# Altium PCB as_x31.PcbDoc (part 7 of 8)
Units mm, origin at the board's own origin, x right, y up, seen from the top; angles counter-clockwise.
Board outline 130 x 100 mm, 6 copper layers (Top Layer, Ground_1, int_1, int_2, Power, Bottom Layer), stack 1.49 mm thick; 430 components, 387 nets, 2581 pads, 1360 vias.
Unrouted connection lines stored in the file: 6.
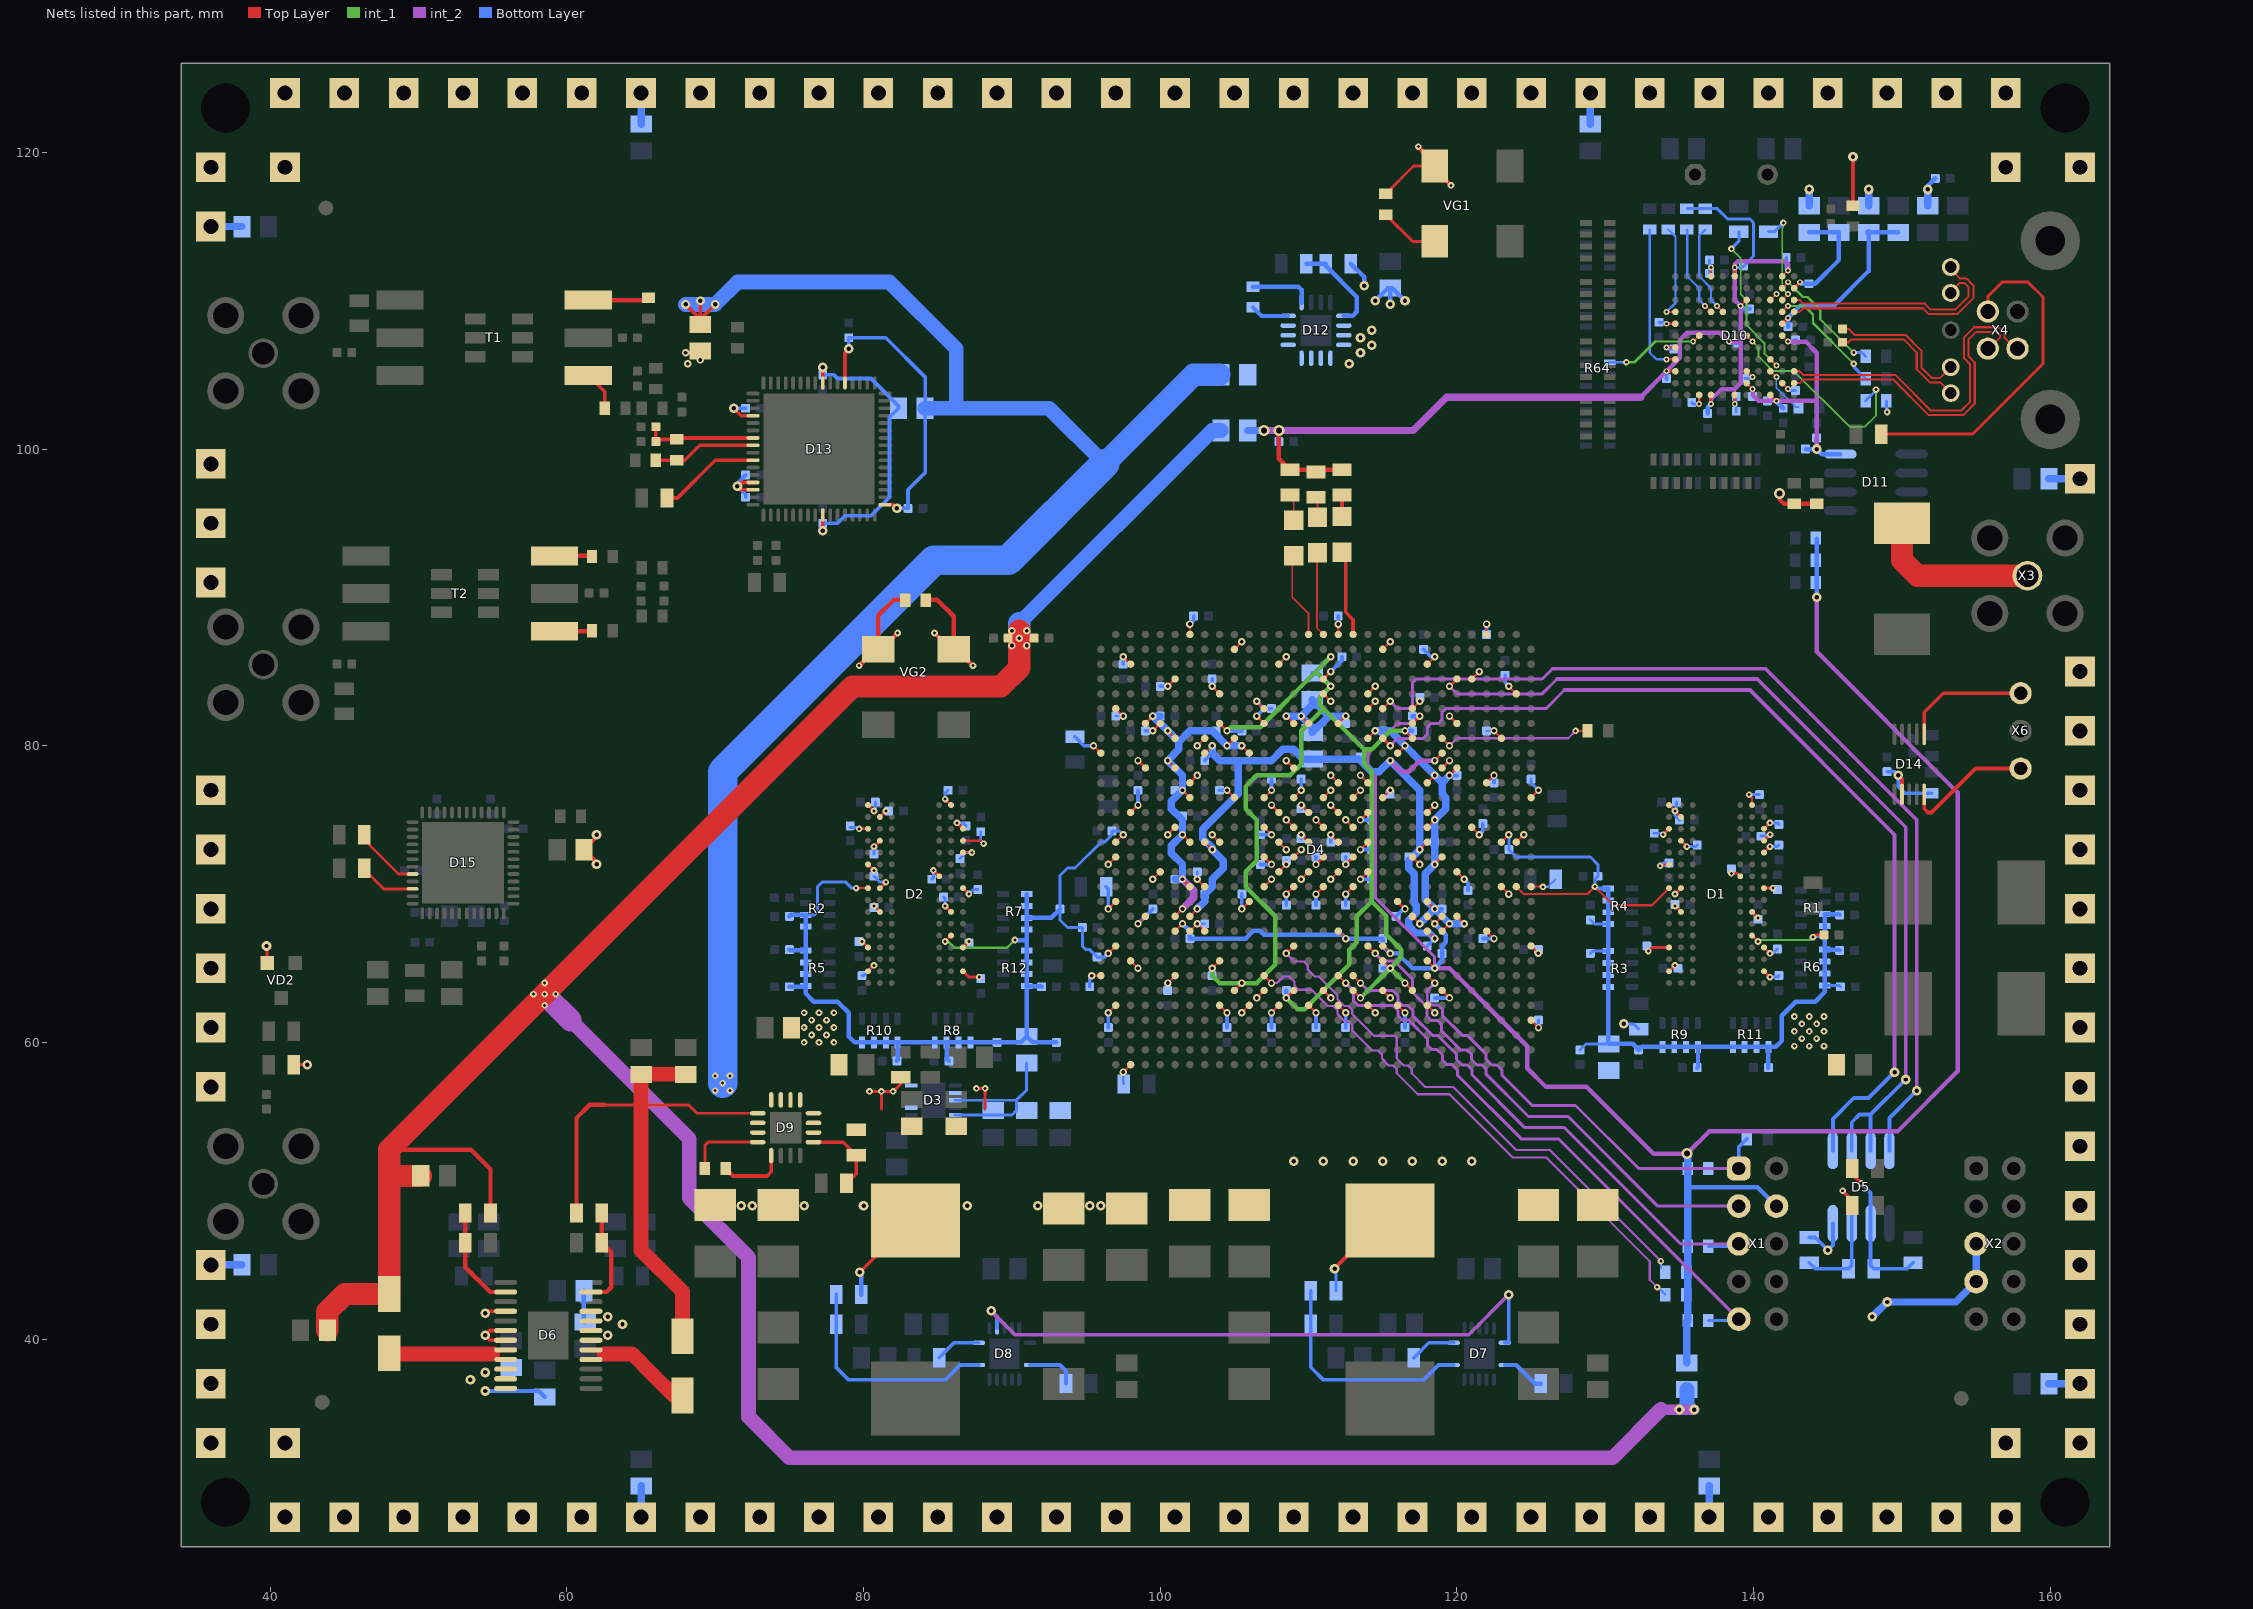
[diagram p11: the nets of this part, all layers, seen from the top]

## Via types
v1: diameter 0.5, hole 0.25, Top Layer to Bottom Layer, 541 vias
v2: diameter 0.45, hole 0.2, Top Layer to Bottom Layer, tented both sides, 349 vias
v3: diameter 0.65, hole 0.3, Top Layer to Bottom Layer, 226 vias
v4: diameter 0.5, hole 0.2, Top Layer to Bottom Layer, tented both sides, 96 vias
v5: diameter 0.4, hole 0.2, Top Layer to Bottom Layer, tented both sides, 83 vias
v6: diameter 0.75, hole 0.4, Top Layer to Bottom Layer, 46 vias
v7: diameter 0.6, hole 0.3, Top Layer to Bottom Layer, 12 vias
v8: diameter 0.5, hole 0.2, Top Layer to Bottom Layer, 4 vias
v9: diameter 0.6, hole 0.25, Top Layer to Bottom Layer, tented both sides, 2 vias
v10: diameter 0.5, hole 0.3, Top Layer to Bottom Layer, 1 vias

## Nets (pads, with @x,y where several pads share a name; then routed paths per layer and width w, separated by ;. In a path a pad name is that pad's centre, name@x,y a point inside that pad or via, vN(x,y) a via of type N, cw(c..) or ccw(c..) an arc to the next point about the centre after c; other vN are vias at no path point) (continued)
NetD4_AD23: D4.AD23 R22.1 | length 10.4
  Top Layer w0.15: D4.AD23@119,80.5 v1(119.5,80) ; v2(128,81) R22.1@128.8,81
  int_2 w0.15: v1(119.5,80) 120,80.5 127.5,80.5 v2(128,81)
NetD4_AK13: D4.AK13 R24.1 | length 1.9
  Top Layer w0.125: D4.AK13@125,70.5 v2@125.8,70.5
  Bottom Layer w0.125: v2(125.8,70.487) 126.137,70.487 R24.1@126.65,71
NetD4_B12: D4.B12 R23.1 | length 2.3
  Top Layer w0.15: v1(96.5,69) D4.B12@97,69.5
  Bottom Layer w0.25: R23.1@96.35,70.5 96.5,70.35 v1(96.5,69)
NetD4_C1: D4.C1 R39.1 | length 1.5
  Top Layer w0.15: v1(97.5,58) D4.C1@98,58.5
  Bottom Layer w0.15: v1(97.5,58) 97.5,57.25 R39.1@97.55,57.2
NetD4_M7: D4.M7 R29.1 | length 37.9
  Top Layer w0.15: D4.M7@107,64.5 v1(107.5,64)
  int_2 w0.15: v1(107.5,64) 107.864,64 108.314,64.45 108.686,64.45 109.05,64.086 109.05,63.814 109.314,63.55 110.2,63.55 111.3,62.45 111.686,62.45 111.95,62.186 111.95,61.914 112.414,61.45 112.686,61.45 112.95,61.186 112.95,60.8 114.3,59.45 114.686,59.45 114.95,59.186 114.95,58.914 115.414,58.45 115.686,58.45 115.95,58.186 115.95,57.914 117.364,56.5 119.5,56.5 123.75,52.25 126,52.25 133,45.25 133,44 v2(133.5,43.5)
  Bottom Layer w0.15: v2(133.5,43.5) 133.55,43.5 R29.1@134.05,43
NetD4_P9: D4.P9 R28.1 | length 36.5
  Top Layer w0.15: v1(108.5,66) D4.P9@109,66.5
  int_2 w0.15: v1(108.5,66) 109.05,65.45 109.686,65.45 109.95,65.186 109.95,64.914 110.414,64.45 110.686,64.45 111.95,63.186 111.95,62.914 112.414,62.45 112.686,62.45 112.95,62.186 112.95,61.914 114.414,60.45 115.8,60.45 115.95,60.3 115.95,58.914 116.414,58.45 116.686,58.45 116.95,58.186 116.95,57.914 117.864,57 119.75,57 124,52.75 126.25,52.75 v2(133.75,45.25)
  Bottom Layer w0.15: R28.1@133.75,44.8 v2(133.75,45.25)
NetD4_R30: D4.R30 VD4.2 | length 5.8
  Top Layer w0.125: VD4.2@109,92.8 108.9,92.7 108.9,90 110,88.9 D4.R30@110,87.5
NetD4_T30: D4.T30 VD5.2 | length 5.6
  Top Layer w0.125: VD5.2@110.562,92.962 110.562,87.938 D4.T30@111,87.5
NetD4_V30: D4.V30 VD3.2 | length 5.9
  Top Layer w0.25: VD3.2@112.25,93.05 112.5,92.8 112.5,89 113,88.5 D4.V30@113,87.5
NetD5_6: D5.6 R36.1 R37.1 R38.2 | length 10.2
  Top Layer w0.25: R37.1@146.65,51.5 146.65,51.1 v2(147.25,50.5)
  Bottom Layer w0.25: v2(147.25,50.5) 147.885,49.865 D5.6@147.885,47.8 147.885,44.965 R36.1@148.1,44.75 150.35,44.75 R38.2@150.75,45.15
NetD5_7: D5.7 R34.1 R35.1 R36.2 | length 9.7
  Top Layer w0.25: v2(146,50) 146.65,49.35 R35.1@146.65,49
  Bottom Layer w0.25: R34.1@143.75,45.15 144.15,44.75 R36.2@146.4,44.75 146.615,44.965 D5.7@146.615,47.8 146.615,49.385 v2(146,50)
NetD6_2: D6.2 R47.1 R49.2 | length 7.1
  Top Layer w0.3: R47.1@53.15,48.5 R49.2@53.15,46.5 53.15,44.85 54.825,43.175 D6.2@55.875,43.175
NetD6_8: D6.8 D6.9 L8.1 | length 8.4
  Top Layer w0.3: D6.8@55.275,39.275 55,39 55.375,38.625 D6.9@55.875,38.625
  Top Layer w1: L8.1@48.068,39 55,39
NetD6_16: D6.16 D6.17 L6.1 | length 8.5
  Top Layer w0.3: D6.16@61.625,38.625 62.125,38.625 62.5,39 62.225,39.275 D6.17@61.625,39.275
  Top Layer w1: 62.5,39 64.4,39 65.8,37.6 67.2,36.2 L6.1@67.8,36.2
NetD6_23: D6.23 R40.1 R42.1 | length 6.8
  Top Layer w0.3: D6.23@61.625,43.175 62.675,43.175 63,43.5 63,45.85 R42.1@62.35,46.5 R40.1@62.35,48.5
NetD7_1: D7.1 R45.1 | length 2.9
  Bottom Layer w0.25: D7.1@123.225,38.25 124,38.25
  Bottom Layer w0.3: 124,38.25 125.25,37 R45.1@125.65,37
NetD7_7: D7.7 R41.1 R44.2 | length 15.5
  Bottom Layer w0.25: R41.1@110.15,43.25 R44.2@110.15,41 110.15,38.1 111,37.25 117.75,37.25 118.75,38.25 D7.7@119.775,38.25
NetD7_8: D7.8 R46.1 | length 3.1
  Bottom Layer w0.25: R46.1@117.1,38.75 118.1,39.75 D7.8@119.775,39.75
NetD8_1: D8.1 R53.1 | length 3.4
  Bottom Layer w0.25: D8.1@91.225,38.25 93.25,38.25 93.65,37.85 R53.1@93.65,37
NetD8_7: D8.7 R50.1 R52.2 | length 15.3
  Bottom Layer w0.25: R50.1@78.15,43 R52.2@78.15,41 78.15,38.1 79,37.25 85.5,37.25 86.5,38.25 D8.7@87.775,38.25
NetD8_8: D8.8 R55.1 | length 3.1
  Bottom Layer w0.25: R55.1@85.1,38.75 86.1,39.75 D8.8@87.775,39.75
NetD9_5: D9.5 R56.1 | length 4.5
  Top Layer w0.25: R56.1@70.7,51.5 71.2,51 73.5,51 73.775,51.275 D9.5@73.775,52.375
NetD9_9: D9.9 R51.1 R54.2 | length 5.4
  Top Layer w0.25: D9.9@76.625,53.275 78.625,53.275 R51.1@79.5,52.4 79.5,51.15 R54.2@78.85,50.5
NetD10_B2: D10.B2 R59.2 | length 8.2
  Top Layer w0.125: D10.B2@141.929,110.846 v5(142.329,111.246)
  int_1 w0.15: v5(142.329,111.246) 143.329,110.246 143.629,110.246 144.5,109.375 144.5,108.75 v2(146.75,106.5)
  Bottom Layer w0.2: v2(146.75,106.5) 147.3,106.5 R59.2@147.55,106.25
NetD10_B3: D10.B3 R68.1 | length 6.8
  Top Layer w0.125: D10.B3@141.929,110.046 v5(142.329,110.446)
  int_1 w0.125: v2(142,115.25) 142,115 141.929,114.929 141.929,110.846 v5(142.329,110.446)
  Bottom Layer w0.2: R68.1@141,114.65 141.4,114.65 v2(142,115.25)
NetD10_B4: D10.B4 R61.2 | length 8.3
  Top Layer w0.125: D10.B4@141.929,109.246 v5(142.329,109.646)
  int_1 w0.15: v5(142.329,109.646) 143.429,109.646 144,109.075 144,108.5 v2(146.75,105.75)
  Bottom Layer w0.2: v2(146.75,105.75) 146.75,105.55 R61.2@147.55,104.75
NetD10_C8: D10.C8 R109.1 | length 11
  Top Layer w0.125: D10.C8@141.129,106.046 v5(141.529,105.646)
  int_1 w0.125: v2(138.5,113.5) 139.129,112.871 139.129,110.446 139.529,110.046 139.529,108.346 140.729,107.146 140.729,106.446 v5(141.529,105.646)
  Bottom Layer w0.2: v2(138.5,113.5) 139,114 R109.1@139,114.65
NetD10_C9: D10.C9 R60.1 | length 3.3
  Top Layer w0.125: D10.C9@141.129,105.246 v5(141.529,104.846)
  Bottom Layer w0.125: v5(141.529,104.846) 141.529,104.146 142.829,102.846 R60.1@143.029,102.846
NetD10_E6: D10.E6 R62.2 | length 14.7
  Top Layer w0.125: D10.E6@139.529,107.646 v5(139.929,107.246)
  int_1 w0.125: v5(139.929,107.246) 140.329,106.846 140.329,106.246 141.316,105.259 142.716,105.259 146.475,101.5 147.5,101.5 148.25,102.25 v2(148.25,104)
  Bottom Layer w0.2: R62.2@147.55,103.25 148.25,103.95 v2(148.25,104)
NetD10_G4: D10.G4 R77.1 | length 6.4
  Top Layer w0.125: v5(137.529,109.646) D10.G4@137.929,109.246
  Bottom Layer w0.15: R77.1@136.75,114.8 136.329,114.379 136.329,111.646 137.129,110.846 137.129,110.046 v5(137.529,109.646)
NetD10_H4: D10.H4 R78.1 | length 6.2
  Top Layer w0.125: v5(136.729,109.646) D10.H4@137.129,109.246
  Bottom Layer w0.15: R78.1@135.5,114.8 135.529,114.771 135.529,111.646 136.329,110.846 136.329,110.046 v5(136.729,109.646)
NetD10_L4: D10.L4 R79.1 | length 6.6
  Top Layer w0.15: v5(134.129,109.246) D10.L4@134.729,109.246
  Bottom Layer w0.15: v5(134.129,109.246) 134.729,109.846 134.729,114.321 R79.1@134.25,114.8
NetD10_L8: D10.L8 R80.1 | length 10.2
  Top Layer w0.15: v5(134.129,106.046) D10.L8@134.729,106.046
  Bottom Layer w0.15: R80.1@133,114.8 133,106.5 133.454,106.046 v5(134.129,106.046)
NetD12_5: D12.5 R84.1 | length 4.2
  Bottom Layer w0.3: R84.1@106.25,110.95 109.3,110.95 109.525,110.725 D12.5@109.525,109.875
NetD12_9: D12.9 R82.1 R83.2 | length 6.4
  Bottom Layer w0.3: R83.2@109.85,112.5 R82.1@111.15,112.5 111.15,112.35 113.25,110.25 113.25,109.25 112.975,108.975 D12.9@112.375,108.975
NetD13_40: D13.40 R88.2 R93.1 | length 7
  Top Layer w0.25: R88.2@66,99.25 R93.1@67.4,99.25 67.95,99.25 68.95,100.25 D13.40@72.55,100.25
NetD13_42: D13.42 R95.1 | length 6.9
  Top Layer w0.25: R95.1@66.75,96.7 67.45,96.7 70,99.25 D13.42@72.55,99.25
NetD14_5: D14.5 X6.1 | length 8.8
  Top Layer w0.25: D14.5@151.5,76.725 151.5,75.75 151.75,75.5 152,75.5 154.96,78.46 X6.1@158,78.46
NetD14_6: D14.6 X6.3 | length 8.5
  Top Layer w0.25: D14.6@151.5,80.775 151.5,82.25 152.79,83.54 X6.3@158,83.54
NetD15_44: D15.44 R105.1 | length 4.6
  Top Layer w0.2: R105.1@46.35,74 46.35,73.65 48.65,71.35 D15.44@49.6,71.35
NetD15_46: D15.46 R106.1 | length 3.9
  Top Layer w0.2: R106.1@46.35,71.75 46.35,71.65 47.65,70.35 D15.46@49.6,70.35
NetR57_2: R57.2 X4.1 | length 22.9
  Top Layer w0.2: R57.2@148.6,101 154.75,101 159.5,105.75 159.5,110.25 158.5,111.25 156.75,111.25 155.79,110.29 X4.1@155.79,109.27
NetR85_2: R85.2 T1.1 | length 4.1
  Top Layer w0.3: T1.1@61.445,110.04 65.34,110.04 R85.2@65.5,110.2
NetR89_2: R89.2 T1.3 | length 2.7
  Top Layer w0.25: T1.3@61.445,104.96 62.55,103.855 R89.2@62.55,102.75
NetR96_2: R96.2 T2.3 | length 2.4
  Top Layer w0.3: T2.3@59.16,87.72 61.5,87.72 R96.2@61.54,87.76
NetR100_2: R100.2 T2.1 | length 2.4
  Top Layer w0.3: T2.1@59.16,92.8 61.5,92.8 R100.2@61.54,92.76
NetR102_2: R102.2 VG2.1 | length 8
  Top Layer w0.3: v2(79.7,85.4) 80.8,86.5 VG2.1@81,86.5 ; v2(82.3,87.6) 81.2,86.5 VG2.1@81,86.5 ; R102.2@82.75,89.85 82.05,89.85 81,88.8 VG2.1@81,86.5
NetR108_2: R108.2 VG1.1 | length 4
  Top Layer w0.2: R108.2@115.2,115.8 117,114 VG1.1@118.5,114
NetR110_1: R110.1 VD3.1 | length 1.5
  Top Layer w0.25: VD3.1@112.25,95.45 R110.1@112.25,96.9
NetR111_1: R111.1 VD4.1 | length 1.8
  Top Layer w0.125: R111.1@108.75,96.9 109,96.65 VD4.1@109,95.2
NetR112_1: R112.1 VD5.1 | length 1.3
  Top Layer w0.125: VD5.1@110.6,95.4 R112.1@110.6,96.65
NetVD1_2: VD1.2 X3.1 | length 11.4
  Top Layer w1.5: VD1.2@150,95 150,92.5 151.04,91.46 X3.1@158.46,91.46
PCLK: D10.J6 R64.6 | length 6.8
  Top Layer w0.125: v5(135.929,107.246) D10.J6@136.329,107.646
  int_1 w0.125: 133.829,107.246 v5(135.929,107.246)
  int_1 w0.15: 133.371,107.246 133.829,107.246
  int_1 w0.2: v2(131.425,105.85) 131.975,105.85 133.371,107.246
  Bottom Layer w0.15: R64.6@130.3,105.85 v2(131.425,105.85)
PG1P1: D7.14 D8.10 | length 41.5
  int_2 w0.25: v3(88.6,41.9) 90.2,40.3 120.8,40.3 v3(123.5,43)
  Bottom Layer w0.25: v3(88.6,41.9) 89,41.5 D8.10@89,40.725 ; D7.14@123.225,39.75 123.5,39.75 v3(123.5,43)
SHIELD: L17.2 L18.2 L19.2 L20.2 L21.2 L22.2 L23.2 L24.2 pad.0 pad.3 | length 16.8
  Bottom Layer w0.5: pad.3@36,45 L23.2@38.1,45 ; pad.3@36,115 L24.2@38.1,115 ; pad.3@65,28 L22.2@65,30.1 ; L17.2@65,121.9 pad.3@65,124 ; L18.2@129,121.9 pad.3@129,124 ; pad.3@137,28 L21.2@137,30.1 ; L19.2@159.9,98 pad.3@162,98 ; L20.2@159.9,37 pad.3@162,37
SS_RX_N: D10.A3 X4.8 | length 14.7
  Top Layer w0.14: D10.A3@142.729,110.046 143.1,110.046 143.345,109.801 151.537,109.801 151.938,109.4 153.6,109.4 154.5,110.3 154.5,110.9 154.2,111.2 153.9,111.2 153.29,110.59 X4.8@153.29,110.52
SS_RX_P: D10.A4 X4.9 | length 15.8
  Top Layer w0.14: D10.A4@142.729,109.246 143.1,109.246 143.345,109.491 151.409,109.491 151.81,109.09 153.728,109.09 154.81,110.172 154.81,111.028 154.328,111.51 153.9,111.51 153.29,112.12 X4.9@153.29,112.27
SS_TX_N: C181.1 X4.5 | length 9.5
  Top Layer w0.14: C181.1@146,107.2 146.4,107.2 146.59,107.39 150.11,107.39 151,106.5 151,105.372 151.882,104.49 152.57,104.49 X4.5@153.29,103.77
SS_TX_P: C180.1 X4.6 | length 9.6
  Top Layer w0.14: C180.1@146,108.1 146.4,108.1 146.8,107.7 150.238,107.7 151.31,106.628 151.31,105.5 152.01,104.8 152.57,104.8 X4.6@153.29,105.52
TCK: D4.AC7 R26.2 R33.2 X1.1 | length 32.7
  Top Layer w0.15: D4.AC7@118,64.5 v1(118.5,64)
  int_2 w0.2: v1(118.5,64) 118,63.5 118,62.828 118.303,62.525 118.725,62.525 119.025,62.225 119.025,61.803 120.353,60.475 120.697,60.475 121.975,59.197 121.975,58.853 122.353,58.475 122.697,58.475 123.025,58.147 123.025,57.803 125.078,55.75 128,55.75 132.25,51.5 X1.1@139,51.5
  Bottom Layer w0.2: R26.2@136.95,51.5 X1.1@139,51.5
  Bottom Layer w0.25: X1.1@139,51.5 139,52.95 R33.2@139.55,53.5
TDI: D4.U7 R27.1 X1.9 | length 39.9
  Top Layer w0.15: D4.U7@112,64.5 v1(112.5,64)
  int_2 w0.2: v1(112.5,64) 113.025,63.475 113.025,62.803 113.328,62.5 115.672,62.5 116.025,62.147 116.025,61.803 116.303,61.525 116.725,61.525 118.025,60.225 118.025,59.803 118.303,59.525 118.647,59.525 119.025,59.147 119.025,58.803 119.303,58.525 119.647,58.525 120.025,58.147 120.025,57.803 124.328,53.5 126.84,53.5 X1.9@139,41.34
  Bottom Layer w0.2: R27.1@136.95,41.25 138.91,41.25 X1.9@139,41.34
TDO: D4.W9 X1.3 | length 33.8
  Top Layer w0.15: D4.W9@114,66.5 v1(114.5,66)
  int_2 w0.2: v1(114.5,66) 115,65.5 115.75,65.5 117,64.25 117,63.369 117.975,62.394 117.975,61.775 118.275,61.475 118.697,61.475 118.975,61.197 118.975,60.775 120.275,59.475 120.697,59.475 120.975,59.197 120.975,58.853 121.353,58.475 121.697,58.475 121.975,58.197 121.975,57.853 124.828,55 127.5,55 133.54,48.96 X1.3@139,48.96
TMS: D4.V7 R25.2 X1.5 | length 36.4
  Top Layer w0.15: D4.V7@113,64.5 v1(113.5,64)
  int_2 w0.2: v1(113.5,64) 114,63.5 115.672,63.5 116.025,63.147 116.025,62.803 116.353,62.475 116.697,62.475 117.025,62.147 117.025,61.803 118.353,60.475 118.697,60.475 119.975,59.197 119.975,58.853 120.353,58.475 120.697,58.475 121.025,58.147 121.025,57.803 124.578,54.25 127.25,54.25 135.08,46.42 X1.5@139,46.42
  Bottom Layer w0.2: R25.2@136.95,46.25 138.83,46.25 X1.5@139,46.42
TTL_RX: D4.Y23 D5.1 | length 64.5
  Top Layer w0.2: D4.Y23@115,80.5 v1(115.5,80)
  int_2 w0.2: v1(115.5,80) 116,80.5 117.75,80.5 118,80.75 118,81.25 118.25,81.5 118.75,81.5 119,81.75 119,82.25 119.25,82.5 126,82.5 127.25,83.75
  int_2 w0.25: 127.25,83.75 139.75,83.75 149.5,74 v3(149.5,58)
  Bottom Layer w0.25: D5.1@145.345,52.7 145.345,54.845 146.75,56.25 147.75,56.25 v3(149.5,58)
TTL_TX: D4.Y25 D5.4 | length 65.7
  Top Layer w0.15: D4.Y25@115,82.5 v1(115.5,83)
  int_2 w0.2: v1(115.5,83) 116,82.5 116.75,82.5 117,82.75 117,84.25 117.25,84.5 125.75,84.5 126.445,85.195
  int_2 w0.25: 126.445,85.195 140.805,85.195 151,75 v3(151,56.75)
  Bottom Layer w0.25: D5.4@149.155,52.7 149.155,54.905 v3(151,56.75)
TTL_TX_EN: D4.AE27 D5.2 D5.3 | length 62.4
  Top Layer w0.15: v1(119.5,84) D4.AE27@120,84.5
  int_2 w0.2: v1(119.5,84) 120,83.5 125.75,83.5 126.75,84.5
  int_2 w0.25: 126.75,84.5 140.25,84.5 150.25,74.5 v3(150.25,57.5)
  Bottom Layer w0.25: D5.2@146.615,52.7 146.615,54.615 147.135,55.135 147.885,55.135 ; D5.3@147.885,52.7 147.885,55.135 ; v3(150.25,57.5) 147.885,55.135
U3RXVDDQ: C185.2 C186.2 D10.A2 L10.2 | length 7.7
  Top Layer w0.2: D10.A2@142.729,110.846 v5(143.129,111.246)
  Bottom Layer w0.3: v5(143.129,111.246) 143.229,111.146 C185.2@143.729,111.146 144.146,111.146 145.75,112.75 C186.2@145.75,114.6 L10.2@143.75,114.6
U3TXVDDQ: C188.2 C189.2 D10.B5 L11.2 | length 12.5
  Top Layer w0.2: D10.B5@141.929,108.446 v5(142.329,108.846)
  Bottom Layer w0.3: C188.2@142.329,108.246 v5(142.329,108.846) 143.129,109.646 145.396,109.646 147.75,112 L11.2@147.75,114.6 C189.2@149.75,114.6
USB_N: D10.A10 X4.2 | length 21.8
  Top Layer w0.14: D10.A10@142.729,104.446 143.1,104.446 143.345,104.691 149.409,104.691 151.81,102.29 154.128,102.29 154.91,103.072 154.91,105.828 154.5,106.238 154.5,107.4 155,107.9 156.4,107.9 156.6,107.7 156.6,107.5 155.87,106.77 X4.2@155.79,106.77
USB_P: D10.A9 X4.3 | length 22.4
  Top Layer w0.14: D10.A9@142.729,105.246 143.1,105.246 143.345,105.001 149.537,105.001 151.938,102.6 154,102.6 154.6,103.2 154.6,105.7 154.19,106.11 154.19,107.528 154.872,108.21 156.528,108.21 156.91,107.828 156.91,107.5 157.64,106.77 X4.3@157.79,106.77
V0P75D: C39.2 C40.2 C41.2 D3.3 D3.5 L1.1 L2.1 | length 11.9
  Bottom Layer w0.2: D3.5@86.175,55.1 90,55.1 90.3,55.4 90.3,56.1 ; D3.3@86.175,56.1 90.3,56.1 ; L2.1@91,58.6 91,56.8 90.3,56.1
V1P1D: C63.2 C64.2 C65.2 C66.2 C67.2 C68.2 C69.2 C75.2 C76.2 C77.2 C78.2 C79.2 C80.2 C81.2 C87.2 C88.2 C89.2 C90.2 C91.2 C92.2 C93.2 C94.2 C153.1 C154.1 C155.1 C156.1 D4.AA5 D4.AC5 D4.AD6 D4.J5 D4.L5 D4.M6 D4.M13 D4.M15 D4.M17 D4.M19 D4.N5 D4.N14 D4.N16 D4.N18 D4.P13 D4.P15 D4.P17 D4.P19 D4.R5 D4.R14 D4.R16 D4.R18 D4.T6 D4.T13 D4.T15 D4.T17 D4.T19 D4.U5 D4.U14 D4.U16 D4.U18 D4.U20 D4.V13 D4.V15 D4.V17 D4.V19 D4.W5 D4.W14 D4.W16 D4.W18 D4.W20 D4.Y6 L7.2 R41.2 | length 52.1
  Top Layer w0.15: D4.J5@104,62.5 v1(104.5,62) ; v1(105.5,62) D4.L5@106,62.5 ; v1(106.5,63) D4.M6@107,63.5 ; D4.M13@107,70.5 v1(107.5,71) ; D4.M15@107,72.5 v1(107.5,72) ; D4.M17@107,74.5 v1(107.5,74) ; D4.M19@107,76.5 v1(107.5,77) ; v1(107.5,62) D4.N5@108,62.5 ; v1(107.5,76) D4.N18@108,75.5 ; D4.N14@108,71.5 v1(108.5,72) ; D4.N16@108,73.5 v1(108.5,73) ; v1(108.5,70) D4.P13@109,70.5 ; v1(108.5,75) D4.P17@109,74.5 ; D4.P15@109,72.5 v1(109.5,73) ; D4.P19@109,76.5 v1(109.5,77) ; v1(109.5,71) D4.R14@110,71.5 ; v1(109.5,74) D4.R16@110,73.5 ; v1(109.5,76) D4.R18@110,75.5 ; D4.R5@110,62.5 v1(110.5,62) ; v1(110.5,70) D4.T13@111,70.5 ; v1(110.5,72) D4.T15@111,72.5 ; v1(110.5,75) D4.T17@111,74.5 ; D4.T6@111,63.5 v1(111.5,63) ; D4.T19@111,76.5 v1(111.5,77) ; v1(111.5,71) D4.U14@112,71.5 ; v1(111.5,74) D4.U16@112,73.5 ; v1(111.5,76) D4.U18@112,75.5 ; v1(111.5,78) D4.U20@112,77.5 ; D4.U5@112,62.5 v1(112.5,62) ; v1(112.5,70) D4.V13@113,70.5 ; v1(112.5,72) D4.V15@113,72.5 ; v1(112.5,75) D4.V17@113,74.5 ; D4.V19@113,76.5 v1(113.5,77) ; v1(113.5,71) D4.W14@114,71.5 ; v1(113.5,73) D4.W16@114,73.5 ; v1(113.5,75) D4.W18@114,75.5 ; v1(113.5,78) D4.W20@114,77.5 ; D4.W5@114,62.5 v1(114.5,62) ; D4.Y6@115,63.5 v1(115.5,63) ; D4.AA5@116,62.5 v1(116.5,62) ; D4.AC5@118,62.5 v1(118.5,62) ; D4.AD6@119,63.5 v1(119.5,63)
  Top Layer w0.25: v3(111.75,44.75) 115,48 L7.2@115.5,48
  Bottom Layer w0.2: v3(111.75,44.75) 111.85,44.65 R41.2@111.85,43.25
  Bottom Layer w0.25: C63.2@104.5,61 v1(104.5,62) ; C78.2@106.75,72 v1(107.5,72) ; C89.2@106.75,74 v1(107.5,74) ; C75.2@107.5,61 v1(107.5,62) ; v1(107.5,77) C65.2@107.5,77.75 ; C66.2@108.5,69.25 v1(108.5,70) ; v1(108.5,72) C92.2@108.5,72.25 ; C91.2@109.5,73.75 v1(109.5,74) ; C79.2@109.5,75.75 v1(109.5,76) ; v1(109.5,77) C77.2@109.5,77.75 ; C64.2@110.5,61 v1(110.5,62) ; C67.2@110.5,69.25 v1(110.5,70) ; v1(110.5,72) C69.2@110.5,72.5 ; C81.2@111.5,73.5 v1(111.5,74) ; C94.2@112.5,61 v1(112.5,62) ; C68.2@112.5,69.25 v1(112.5,70) ; v1(112.5,72) C87.2@112.5,72.5 ; v1(113.5,71) C80.2@114.25,71 ; v1(113.5,73) C88.2@114.25,73 ; v1(113.5,75) C90.2@114.25,75 ; C76.2@116.5,61 v1(116.5,62) ; C93.2@118.5,63 v1(119.5,63)
  other v3: 109,52 111,52 113,52 115,52 117,52 119,52 121,52
V1P2D: C184.2 C192.2 C193.2 C194.2 C195.2 C196.2 C197.2 C198.2 C199.2 C200.2 C201.2 D10.B10 D10.C3 D10.E9 D10.F11 D10.H1 D10.J11 D10.L5 D10.L7 D12.10 D12.11 D12.12 D12.13 D12.14 L10.1 L11.1 L12.1 R82.2 | length 19.5
  Top Layer w0.125: D10.E9@139.529,105.246 v5(139.929,104.846) ; D10.C3@141.129,110.046 v5(141.529,110.446) ; D10.B10@141.929,104.446 v5(142.329,104.046)
  Top Layer w0.15: v5(134.129,106.846) D10.L7@134.729,106.846 ; v5(134.129,108.446) D10.L5@134.729,108.446 ; v5(136.329,103.046) D10.J11@136.329,103.646 ; D10.H1@137.129,111.646 v5(137.129,112.246) ; v5(138.729,103.046) D10.F11@138.729,103.646
  Bottom Layer w0.2: C192.2@133.629,108.546 134.029,108.546 v5(134.129,108.446) ; v5(134.129,106.846) 134.229,106.746 C200.2@134.629,106.746 ; C198.2@135.829,103.146 135.929,103.046 v5(136.329,103.046) ; C201.2@137.029,111.746 137.029,112.146 v5(137.129,112.246) 137.029,112.346 C193.2@137.029,112.746 ; C194.2@138.829,102.546 138.829,102.946 v5(138.729,103.046) 138.829,103.146 C199.2@138.829,103.546 ; C196.2@139.429,104.746 139.829,104.746 v5(139.929,104.846) ; v5(142.329,104.046) 142.429,103.946 C197.2@142.829,103.946
  Bottom Layer w0.3: R82.2@112.85,112.5 113.75,111.6 v3(113.75,111) ; v3(114.5,110) 115.35,110.85 C184.2@115.5,110.85 ; v3(115.5,109.75) C184.2@115.5,110.85 ; v3(116.5,110) 115.65,110.85 C184.2@115.5,110.85 ; v3(151.75,117.5) 151.75,117.75 C195.2@152.25,118.25
  Bottom Layer w0.5: L10.1@143.75,116.4 v3(143.75,117.5) ; L11.1@147.75,116.4 v3(147.75,117.5) ; L12.1@151.75,116.4 v3(151.75,117.5)
  other v3: 112.75,105.75 113.5,106.5 114.25,107 113.5,107.5 114.25,108
V1P5D: C23.2 C24.2 C25.2 C26.2 C27.2 C28.2 C29.2 C30.2 C31.2 C32.2 C33.2 C34.2 C35.2 C36.2 C37.2 C38.2 C42.2 C44.2 C45.2 C46.2 C47.2 C48.2 C49.2 C50.2 C51.2 C52.2 C53.2 C54.2 C55.2 C56.2 C57.2 C58.2 C59.2 C61.2 C62.2 C111.2 C112.2 C113.2 C114.2 C115.2 C116.2 C117.2 C124.2 C125.2 C126.2 C127.2 C128.2 C129.2 C130.2 C135.2 C136.2 C137.2 C138.2 C171.2 C172.2 C248.2 C249.2 C250.2 C251.2 C252.2 C253.2 D1.A1 D1.A8 D1.B2 D1.C1 D1.C9 D1.D2 D1.D9 D1.E9 D1.F1 D1.G7 D1.H2 D1.H9 D1.K2 D1.K8 D1.N1 D1.N9 D1.R1 D1.R9 D2.A1 D2.A8 D2.B2 D2.C1 D2.C9 D2.D2 D2.D9 D2.E9 D2.F1 D2.G7 D2.H2 D2.H9 D2.K2 D2.K8 D2.N1 D2.N9 D2.R1 D2.R9 D3.2 D3.7 D3.10 D4.A7 D4.A22 D4.AA12 D4.AB15 D4.AC18 D4.AD21 D4.AE14 D4.AF17 D4.AG10 D4.AG20 D4.AH13 D4.AH23 D4.AJ16 D4.AJ26 D4.AK4 D4.AK9 D4.AK19 D4.B5 D4.B15 D4.B25 D4.C8 D4.C18 D4.D11 D4.D21 D4.E14 D4.E24 D4.F7 D4.F17 D4.G10 D4.G20 D4.H10 D4.H13 D4.H23 D4.J16 D4.K19 D4.L12 D4.Y19 D9.10 D9.11 D9.12 D9.13 D9.14 R17.1 R18.1 R19.2 R51.2 | length 89.8